# Altium PCB HORNET-1-IPG.PcbDoc (part 5 of 8) (continued)
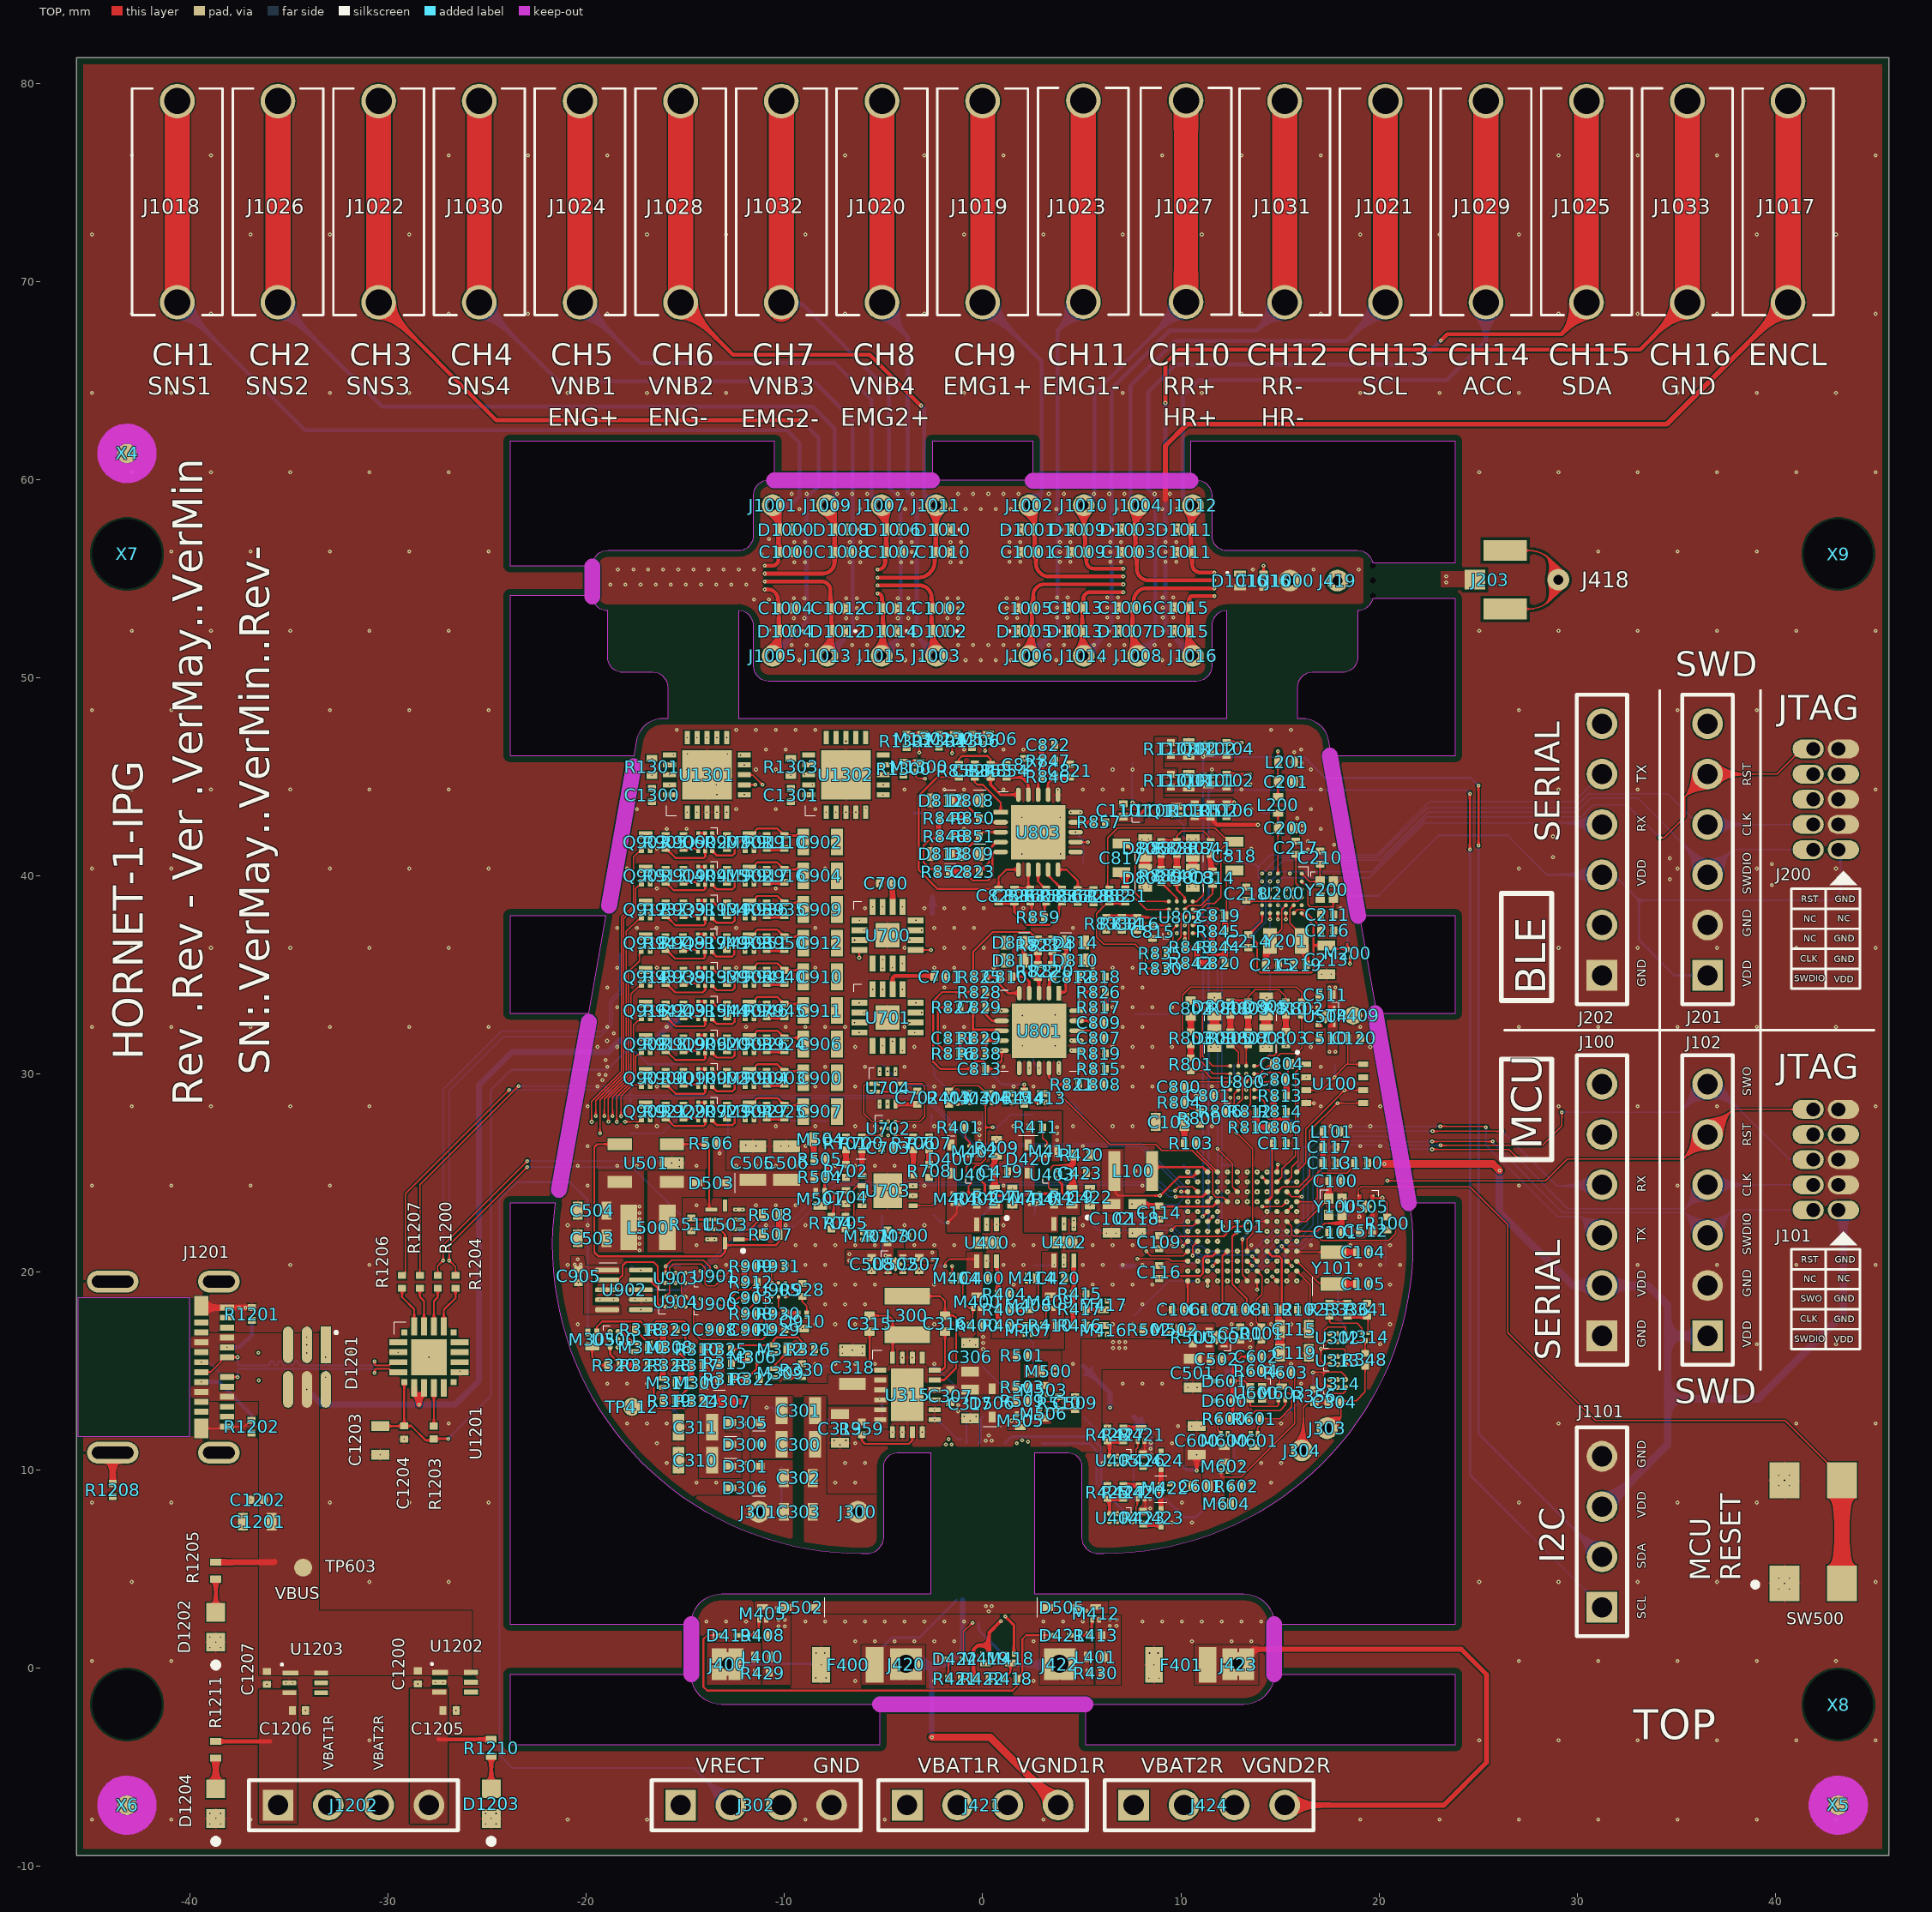
[diagram p0: TOP view]
## Nets (pads, with @x,y where several pads share a name; then routed paths per layer and width w, separated by ;. In a path a pad name is that pad's centre, name@x,y a point inside that pad or via, vN(x,y) a via of type N, cw(c..) or ccw(c..) an arc to the next point about the centre after c; other vN are vias at no path point) (continued)
  other v2: -8.728,50.668 -7.204,50.668 -5.68,50.668 -4.156,50.668 -1.108,50.668 -0.346,50.668 0.416,50.668 1.178,50.668 3.464,50.668 4.226,50.668 5.75,50.668 6.512,50.668 7.274,50.668 8.798,50.668 9.56,50.668 -9.109,51.43 -6.823,51.43 -6.061,51.43 -3.775,51.43 -1.489,51.43 -0.727,51.43 0.035,51.43 0.797,51.43 1.559,51.43 3.845,51.43 6.131,51.43 6.893,51.43 9.179,51.43 -11.014,52.192 -10.252,52.192 -8.728,52.192 -7.966,52.192 -7.204,52.192 -5.68,52.192 -4.918,52.192 -2.632,52.192 -1.87,52.192 -1.108,52.192 -0.346,52.192 0.416,52.192 1.178,52.192 1.94,52.192 2.702,52.192 4.226,52.192 4.988,52.192 5.75,52.192 7.274,52.192 8.036,52.192 10.322,52.192 11.084,52.192 -10.633,52.954 -9.871,52.954 -8.347,52.954 -7.585,52.954 -6.061,52.954 -5.299,52.954 -4.537,52.954 -3.775,52.954 -3.013,52.954 -2.251,52.954 -1.489,52.954 -0.727,52.954 0.035,52.954 0.797,52.954 1.559,52.954 2.321,52.954 3.083,52.954 4.607,52.954 5.369,52.954 6.131,52.954 6.893,52.954 7.655,52.954 8.417,52.954 9.941,52.954 10.703,52.954 -18.634,53.716 -17.872,53.716 -17.11,53.716 -16.348,53.716 -15.586,53.716 -14.824,53.716 -11.776,53.716 -11.014,53.716 -10.252,53.716 -9.49,53.716 -7.966,53.716 -7.204,53.716 -5.68,53.716 -4.918,53.716 -2.632,53.716 -1.87,53.716 -1.108,53.716 -0.346,53.716 0.416,53.716 1.178,53.716 1.94,53.716 2.702,53.716 3.464,53.716 4.226,53.716 4.988,53.716 5.75,53.716 7.274,53.716 8.036,53.716 9.56,53.716 10.322,53.716 11.084,53.716 11.846,53.716 15.656,53.716 16.418,53.716 17.18,53.716 17.942,53.716 18.704,53.716 -19.015,54.478 -18.253,54.478 -17.491,54.478 -16.729,54.478 -15.967,54.478 -15.205,54.478 -14.443,54.478 -4.537,54.478 -3.775,54.478 -3.013,54.478 -2.251,54.478 -1.489,54.478 -0.727,54.478 0.035,54.478 0.797,54.478 1.559,54.478 2.321,54.478 3.083,54.478 4.607,54.478 5.369,54.478 6.131,54.478 6.893,54.478 14.513,54.478 16.799,54.478 -18.634,55.24 -17.872,55.24 -17.11,55.24 -16.348,55.24 -15.586,55.24 -14.824,55.24 -14.062,55.24 -4.918,55.24 -2.632,55.24 -1.87,55.24 -1.108,55.24 -0.346,55.24 0.416,55.24 1.178,55.24 1.94,55.24 2.702,55.24 3.464,55.24 4.226,55.24 4.988,55.24 5.75,55.24 14.132,55.24 16.418,55.24 17.18,55.24 -19.015,56.002 -18.253,56.002 -17.491,56.002 -16.729,56.002 -15.967,56.002 -15.205,56.002 -14.443,56.002 -13.681,56.002 -12.919,56.002 -12.157,56.002 -11.395,56.002 -10.633,56.002 -9.871,56.002 -8.347,56.002 -7.585,56.002 -6.061,56.002 -5.299,56.002 -4.537,56.002 -3.775,56.002 -3.013,56.002 -2.251,56.002 -1.489,56.002 -0.727,56.002 0.035,56.002 0.797,56.002 1.559,56.002 2.321,56.002 3.083,56.002 4.607,56.002 5.369,56.002 6.131,56.002 6.893,56.002 7.655,56.002 8.417,56.002 9.941,56.002 10.703,56.002 11.465,56.002 12.227,56.002 12.989,56.002 13.751,56.002 14.513,56.002 15.275,56.002 16.037,56.002 16.799,56.002 17.561,56.002 18.323,56.002 19.085,56.002 -11.014,56.764 -10.252,56.764 -9.49,56.764 -7.966,56.764 -7.204,56.764 -5.68,56.764 -4.918,56.764 -2.632,56.764 -1.87,56.764 -1.108,56.764 -0.346,56.764 0.416,56.764 1.178,56.764 1.94,56.764 2.702,56.764 3.464,56.764 4.226,56.764 4.988,56.764 5.75,56.764 7.274,56.764 8.036,56.764 9.56,56.764 10.322,56.764 11.084,56.764 -10.633,57.526 -9.871,57.526 -8.347,57.526 -7.585,57.526 -6.061,57.526 -5.299,57.526 -4.537,57.526 -3.775,57.526 -3.013,57.526 -2.251,57.526 -1.489,57.526 -0.727,57.526 0.035,57.526 0.797,57.526 1.559,57.526 2.321,57.526 3.083,57.526 4.607,57.526 5.369,57.526 6.131,57.526 6.893,57.526 7.655,57.526 8.417,57.526 9.941,57.526 10.703,57.526 -9.49,58.288 -7.204,58.288 -5.68,58.288 -1.108,58.288 -0.346,58.288 0.416,58.288 1.178,58.288 3.464,58.288 4.226,58.288 5.75,58.288 7.274,58.288 9.56,58.288 -6.061,59.05 -1.489,59.05 -0.727,59.05 0.035,59.05 0.797,59.05 1.559,59.05 6.131,59.05 6.893,59.05
  other v4: -44.941,-7.638 -40.941,-7.638 -36.941,-7.638 -20.941,-7.638 -16.941,-7.638 -8.941,-7.638 -4.941,-7.638 3.059,-7.638 19.059,-7.638 23.059,-7.638 27.059,-7.638 31.059,-7.638 35.059,-7.638 39.059,-7.638 43.059,-7.638 -30.941,-3.638 25.059,-3.638 29.059,-3.638 33.059,-3.638 37.059,-3.638 41.059,-3.638 45.059,-3.638 -44.941,0.362 -40.941,0.362 -36.941,0.362 27.059,0.362 31.059,0.362 35.059,0.362 39.059,0.362 43.059,0.362 -42.941,4.362 -30.941,4.362 -26.941,4.362 25.059,4.362 29.059,4.362 33.059,4.362 37.059,4.362 45.059,4.362 -44.941,8.362 -40.941,8.362 -32.941,8.362 -28.941,8.362 -24.941,8.362 27.059,8.362 35.059,8.362 39.059,8.362 -26.941,12.362 29.059,12.362 41.059,12.362 45.059,12.362 39.059,16.362 43.059,16.362 -34.941,20.362 -30.941,20.362 33.059,20.362 37.059,20.362 41.059,20.362 45.059,20.362 -44.941,24.362 -40.941,24.362 -36.941,24.362 -32.941,24.362 27.059,24.362 35.059,24.362 -42.941,28.362 -38.941,28.362 -34.941,28.362 -30.941,28.362 29.059,28.362 33.059,28.362 37.059,28.362 45.059,28.362 -44.941,32.362 -40.941,32.362 -36.941,32.362 -32.941,32.362 -28.941,32.362 -24.941,32.362 27.059,32.362 31.059,32.362 35.059,32.362 39.059,32.362 43.059,32.362 -42.941,36.362 -38.941,36.362 -34.941,36.362 -30.941,36.362 -26.941,36.362 29.059,36.362 33.059,36.362 37.059,36.362 41.059,36.362 45.059,36.362 -44.941,40.362 -40.941,40.362 -36.941,40.362 -32.941,40.362 -28.941,40.362 -24.941,40.362 27.059,40.362 35.059,40.362 39.059,40.362 43.059,40.362 -42.941,44.362 -38.941,44.362 -34.941,44.362 -30.941,44.362 -26.941,44.362 29.059,44.362 33.059,44.362 45.059,44.362 -44.941,48.362 -40.941,48.362 -36.941,48.362 -32.941,48.362 -28.941,48.362 -24.941,48.362 27.059,48.362 35.059,48.362 39.059,48.362 43.059,48.362 -42.941,52.362 -38.941,52.362 -34.941,52.362 -30.941,52.362 -26.941,52.362 25.059,52.362 29.059,52.362 33.059,52.362 37.059,52.362 41.059,52.362 45.059,52.362 -40.941,56.362 -36.941,56.362 -32.941,56.362 -28.941,56.362 -24.941,56.362 31.059,56.362 35.059,56.362 39.059,56.362 -42.941,60.362 -38.941,60.362 -34.941,60.362 -30.941,60.362 -26.941,60.362 25.059,60.362 29.059,60.362 33.059,60.362 37.059,60.362 41.059,60.362 45.059,60.362 -44.941,64.362 -40.941,64.362 -36.941,64.362 -32.941,64.362 -28.941,64.362 -24.941,64.362 -20.941,64.362 -16.941,64.362 -12.941,64.362 -8.941,64.362 -0.941,64.362 7.059,64.362 11.059,64.362 15.059,64.362 19.059,64.362 23.059,64.362 27.059,64.362 31.059,64.362 35.059,64.362 39.059,64.362 43.059,64.362 -42.941,68.362 -38.941,68.362 -26.941,68.362 -22.941,68.362 -18.941,68.362 -6.941,68.362 -2.941,68.362 13.059,68.362 17.059,68.362 29.059,68.362 33.059,68.362 37.059,68.362 45.059,68.362 -44.941,72.362 -36.941,72.362 -32.941,72.362 -28.941,72.362 -16.941,72.362 -12.941,72.362 -8.941,72.362 -0.941,72.362 3.059,72.362 7.059,72.362 11.059,72.362 19.059,72.362 23.059,72.362 27.059,72.362 39.059,72.362 43.059,72.362 -42.941,76.362 -38.941,76.362 -26.941,76.362 -22.941,76.362 -18.941,76.362 -6.941,76.362 -2.941,76.362 1.059,76.362 9.059,76.362 13.059,76.362 17.059,76.362 29.059,76.362 33.059,76.362 37.059,76.362 45.059,76.362
  other v6: 39.827,39.532 34.671,39.823 39.827,40.589 34.671,40.88 28.778,40.929 28.778,41.986
  other v7: 39.827,39.532 34.671,39.823 39.827,40.589 34.671,40.88 28.778,40.929 28.778,41.986
  other v10: -38.989,-7.859 -38.456,-7.859 -25.089,-7.859 -24.556,-7.859 -38.7,-7.579 -24.8,-7.579 -38.989,-7.325 -38.456,-7.325 -25.089,-7.325 -24.556,-7.325 -34.17,-2.129 -26.57,-2.129 -36.119,-0.812 -28.499,-0.787 -35.174,-0.737 -34.818,-0.737 -27.61,-0.705 -27.229,-0.705 -38.989,1.041 -38.456,1.041 -38.7,1.321 -38.989,1.575 -38.456,1.575 40.171,4.01 40.704,4.01 40.46,4.29 40.171,4.544 40.704,4.544 -37.325,7.163 -37.325,7.595 -36.925,8.5 -43.9,8.675 40.171,9.21 40.704,9.21 40.46,9.49 40.171,9.744 40.704,9.744 -30.4,10.775 -29.2,11.57 -26.39,14.99 -34.1,15.917 -34.1,16.325 -34.1,16.7 -37.517,18.2 -36.881,18.2
  other v13: -38.989,-7.859 -38.456,-7.859 -25.089,-7.859 -24.556,-7.859 -38.7,-7.579 -24.8,-7.579 -38.989,-7.325 -38.456,-7.325 -25.089,-7.325 -24.556,-7.325 -34.17,-2.129 -26.57,-2.129 -36.119,-0.812 -28.499,-0.787 -35.174,-0.737 -34.818,-0.737 -27.61,-0.705 -27.229,-0.705 -38.989,1.041 -38.456,1.041 -38.7,1.321 -38.989,1.575 -38.456,1.575 40.171,4.01 40.704,4.01 40.46,4.29 40.171,4.544 40.704,4.544 -37.325,7.163 -37.325,7.595 -36.925,8.5 -43.9,8.675 40.171,9.21 40.704,9.21 40.46,9.49 40.171,9.744 40.704,9.744 -30.4,10.775 -29.2,11.57 -26.39,14.99 -34.1,15.917 -34.1,16.325 -34.1,16.7 -37.517,18.2 -37.199,18.2
  other v14: -38.989,-7.859 -38.456,-7.859 -25.089,-7.859 -24.556,-7.859 -38.7,-7.579 -24.8,-7.579 -38.989,-7.325 -38.456,-7.325 -25.089,-7.325 -24.556,-7.325 -34.17,-2.129 -26.57,-2.129 -36.119,-0.812 -28.499,-0.787 -35.174,-0.737 -34.818,-0.737 -27.61,-0.705 -27.229,-0.705 -38.989,1.041 -38.456,1.041 -38.7,1.321 -38.989,1.575 -38.456,1.575 40.171,4.01 40.704,4.01 40.46,4.29 40.171,4.544 40.704,4.544 -37.325,7.163 -37.325,7.595 -36.925,8.5 -43.9,8.675 40.171,9.21 40.704,9.21 40.46,9.49 40.171,9.744 40.704,9.744 -34.1,15.917 -34.1,16.325 -34.1,16.7 -37.199,18.2 -36.881,18.2
  other v16: -6.441,-0.638 -2.441,-0.638 2.559,-0.638 -6.441,1.362 -5.441,1.362 -4.441,1.362 -3.441,1.362 -2.441,1.362 -1.441,1.362 2.559,1.362 10.559,1.362 12.559,1.362 13.559,1.362 -13.941,2.362 -12.941,2.362 -11.941,2.362 -8.941,2.362 -7.941,2.362 -6.941,2.362 -5.941,2.362 -4.941,2.362 -3.941,2.362 -2.941,2.362 -1.941,2.362 -0.941,2.362 3.059,2.362 4.059,2.362 5.059,2.362 8.059,2.362 9.059,2.362 10.059,2.362 11.059,2.362 12.059,2.362 13.059,2.362 14.059,2.362
  other v19: 9.854,12.225 -36.525,14.529 -31.852,14.58 -27.94,15.7 -36.551,15.926 -31.877,15.926 -29.49,15.95 -19.191,29.691 -19.026,29.952 -19.351,29.962 -19.023,30.7 -18.952,31.665 -18.61,32.04 13.513,44.612
  other v22: -9.252,50.879 -3.149,50.881 6.006,50.882 9.061,50.878 -6.203,50.884 -0.861,50.884 3.716,50.887 -13.513,55.575 9.824,58.509
  other v23: 16.418,41.325 16.418,41.742 16.14,42.24 16.14,42.54 15.871,42.912 16.14,44.602 16.14,44.907
  other v27: 16.084,45.698 15.728,46.237
  other v37: 17.73,41.559
HV_EN: R507.1 R508.1 TP513.1 U101.L11 U501.4 U503.8 U503.10 | length 43
  TOP w0.1: U501.4@-18.31,26.45 -19.45,26.45 -19.6,26.3 -19.6,21 -19.4,20.8 -13.2,20.8 -13,21 U503.10@-13,21.35 ; U503.8@-13.7,22.15 -13.25,22.15 -13,21.9 U503.10@-13,21.45 U503.10@-13,21.35 ; R507.1@-10.275,21.9 -10.275,21.525 -10.45,21.35 U503.10@-13,21.35
  TOP w0.254: R507.1@-10.275,21.9 v9(-10.275,22.9)
  DVERT w0.1: v9(-10.275,22.9) -10.275,22.912 -10.179,23.009 -10.179,24.298 v12@-10.18,24.299
  DHOR w0.1: v12(-10.18,24.34) -10.17,24.33 9.6,24.33 10.635,24.33 10.85,24.545 v7(10.85,24.55)
  BOT w0.1: TP513.1@10.16,25.4 10.16,25.267 10.85,24.577 v7(10.85,24.55)
  other v6: 10.85,24.55
HVIN: C503.1 C504.1 L500.1 M500.3 M505.3 TP503.1 U501.5 | length 1
  POWER w0.1: v5@-17.312,22.043 v7(-17.312,22.047)
  BOT w0.1: TP503.1@-17.78,22.86 -17.312,22.392 v7(-17.312,22.047)
  other v5: 1.45,12.494 1.754,12.494 2.055,12.494 2.29,14.836 2.637,14.836 2.984,14.836 2.29,15.148 2.637,15.148 2.984,15.148 -17.312,21.101 -17.312,21.415 -17.312,21.729 -17.312,22.047 -17.312,22.357 -17.312,22.672 -17.312,22.986 -17.312,23.3
  other v11: -17.312,22.047
  other v18: -17.312,22.047
HVOUT: C505.1 C506.1 D503.1 M501.2 R504.1 R506.2 TP505.1 | length 2.8
  TOP w0.06: R506.2@-13.375,26.5 -13.277,26.402 v6(-13.277,25.984)
  BOT w0.06: v6(-13.277,25.984) -12.85,26.411 -12.85,27.79 TP505.1@-12.7,27.94
  other v7: -13.277,25.984
HVSW_EN: M503.1 R510.1 U101.L9 | length 23.8
  TOP w0.06: v9(2.885,13.824) 2.885,13.606 3.025,13.466 3.791,13.466 3.861,13.536 R510.1@3.861,13.711
  DVERT w0.06: v9(2.885,13.824) 3.14,14.079 3.14,24.676 3.135,24.681 3.135,24.839 3.14,24.844 v12(3.14,25.95) ; v12(11.838,25.924) 11.852,25.91 11.852,25.8 11.852,24.552 v9(11.85,24.55)
  DHOR w0.06: v12(3.14,25.95) 3.153,25.937 11.825,25.937 v12(11.838,25.924)
I2C2.SCL: R507.2 U101.K10 U503.1 U902.6 | length 33.2
  TOP w0.1: U503.1@-12.3,21.65 -11.275,21.65 -11.125,21.8 R507.2@-11.1,21.8 ; v21@9.735,23.818 9.752,23.8 11.1,23.8 U101.K10@11.35,24.05
  DHOR w0.06: v21(9.728,23.793) 9.735,23.8 v21@9.735,23.818
  BOT w0.076: v7(-17.25,18.1) -16.001,18.1 -12.201,21.9 -11.801,22.299 -11.125,22.299 ; v6(-11.125,21.9) -11.125,22.299 ; v21(9.728,23.793) 9.722,23.8 9.6,23.8 9.398,23.8 8.814,24.384 -7.416,24.384 -9.501,22.299 -11.125,22.299
  other v6: -17.25,18.1
  other v7: -11.125,21.9
I2C2.SDA: R508.2 U101.K11 U503.2 U902.8 | length 32.5
  TOP w0.06: v6(9.702,24.102) 9.901,24.299 10.601,24.299 U101.K11@10.85,24.05
  TOP w0.1: U503.2@-12.3,22.15 -11.75,22.15 -11.25,22.65 -11.25,22.675 -11.125,22.8 R508.2@-11.1,22.8
  BOT w0.076: v6(-17.25,19.1) -15.193,19.1 -11.694,22.599 -11.125,22.599 ; v6(-11.125,22.9) -11.125,22.599 ; v6(9.702,24.102) 9.6,24.102 9.401,24.102 8.966,24.536 -7.688,24.536 -9.625,22.599 -11.125,22.599
  other v7: -17.25,19.1 -11.125,22.9 9.702,24.102
IMP1: R903.2 R904.1 U700.11 U701.11 | length 15.9
  TOP w0.1: v8(-3.073,33.092) -3.078,33.088 U701.11@-3.151,33.088 ; U701.11@-3.151,33.088 -3.239,33.092 -3.155,33.092 U701.11@-3.151,33.088
  TOP w0.127: U700.11@-3.375,37.25 U700.11@-3.151,37.25
  TOP w0.254: R904.1@-10.9,29.475 v8(-10,29.475)
  AHOR w0.1: v15@-9.994,30.576 v15@-3.151,30.576
  AVERT w0.1: v8(-10,29.475) v15(-10,30.576) ; v15@-3.073,30.582 v8@-3.073,33.011
  AVERT w0.127: v8@-3.078,33.088 v8(-3.073,33.092) v8@-3.073,37.274
  other v8: -3.073,37.25
  other v15: -3.073,30.576
IMP2: R910.2 R911.1 U700.12 U701.12 | length 15.3
  TOP w0.254: R911.1@-10.9,41.375 v8(-10,41.375)
  AHOR w0.1: v15(-10,40.843) v15(-3.375,40.843)
  AVERT w0.1: v15(-10,40.843) v8(-10,41.375) ; v15@-3.398,40.863 -3.375,40.84 v8(-3.375,37.75) v8(-3.375,33.588)
IMP3: R916.2 R917.1 U700.13 U701.13 | length 12.4
  TOP w0.254: R917.1@-10.9,39.675 v8(-10,39.675)
  AHOR w0.1: v10(-10,39.254) v15(-4.054,39.254) v15@-4.05,39.257
  AVERT w0.1: v10(-10,39.254) v8(-10,39.675) ; v8(-4.05,34.263) -4.26,34.473 -4.26,36.724 -4.05,36.934 v8(-4.05,38.425) v15@-4.05,39.257
IMP4: R924.2 R926.1 U700.10 U701.10 | length 14.2
  TOP w0.1: v8(-3.677,32.592) -3.594,32.592 -3.59,32.588 U701.10@-3.375,32.588 ; U700.10@-3.667,36.754 -3.379,36.754 U700.10@-3.375,36.75
  TOP w0.254: R926.1@-10.9,31.175 v3(-10,31.175)
  AHOR w0.1: v3(-10,31.175) v15(-9.5,31.175) ; v15(-9.5,30.838) v15@-3.593,30.838
  AVERT w0.1: v15(-9.5,30.838) v15(-9.5,31.175) ; v15(-3.677,30.838) v8(-3.677,32.592)
  AVERT w0.127: v8(-3.677,32.592) -3.667,32.601 v8@-3.667,36.754
  other v8: -3.677,36.754
IMP5: R935.2 R936.1 U700.15 U701.15 | length 10.2
  TOP w0.1: v8(-5.052,38.425) U700.15@-5.05,38.425
  TOP w0.254: R936.1@-10.9,37.975 v3(-10,37.975)
  AHOR w0.1: v3(-10,37.975) v10(-5.052,37.975)
  AVERT w0.1: v8(-5.052,38.425) v10(-5.052,37.975) -4.799,37.722 -4.799,34.514 v8(-5.05,34.263)
IMP6: R940.2 R941.1 U700.3 U701.3 | length 9.1
  TOP w0.1: v8(-6.464,32.588) U701.3@-6.225,32.588 ; U700.3@-6.464,36.75 U700.3@-6.225,36.75
  TOP w0.254: R941.1@-10.9,34.575 v3(-10,34.575)
  AHOR w0.1: v3(-10,34.575) v10(-6.464,34.576)
  AVERT w0.127: v8(-6.464,32.588) v10(-6.464,34.576) v8(-6.464,36.749)
IMP7: R945.2 R946.1 U700.16 U701.16 | length 10.9
  TOP w0.254: R946.1@-10.9,32.875 v8(-10,32.875)
  AHOR w0.1: v15(-9.994,34.261) v3(-5.55,34.263)
  AVERT w0.1: v8(-10,32.875) -9.997,32.878 -9.997,34.258 v15(-9.994,34.261) ; v3(-5.55,34.263) v14(-5.55,38.425)
IMP8: R950.2 R951.1 U700.2 U701.2 | length 9.5
  TOP w0.127: U701.2@-6.225,33.088 v8(-6.004,33.088) ; U700.2@-6.225,37.25 -6.007,37.25 v8(-6.004,37.253)
  TOP w0.254: R951.1@-10.903,36.275 v3(-10.003,36.275)
  AHOR w0.1: v3(-10.003,36.275) v10(-6.007,36.275)
  AVERT w0.127: v8(-6.004,33.088) v8(-6.004,33.088) -6.005,36.273 v10(-6.007,36.275) -6.005,36.277 -6.005,37.252 v8(-6.004,37.253)
IMP17: R925.2 R927.1 U704.3 U704.7 | length 8.1
  TOP w0.1: v3(-5.453,29.1) U704.7@-4.148,29.1
  TOP w0.254: R927.1@-10.9,27.775 v3(-10,27.775)
  AHOR w0.1: v3(-10,27.775) v15(-9.5,27.775) ; v15(-9.498,29.098) v3(-5.453,29.1)
  AVERT w0.1: v15@-9.498,27.775 v15(-9.498,29.098)
IMP_EN: M701.1 TP703.1 U101.E1 U702.B2 | length 33.9
  DVERT w0.06: v11(-6.045,19.304) v9(-6.045,21.975) v11(-6.045,24.025) ; v11(-4.799,24.025) -4.799,27.151 -4.764,27.186 v7(-4.764,27.245) ; v11(15.85,20.015) v9@15.85,21.549
  DHOR w0.06: v11(-6.045,19.304) 11.176,19.304 11.887,20.015 v11(15.85,20.015) ; v11(-6.045,24.025) v11(-4.799,24.025)
  BOT w0.06: TP703.1@-5.08,27.94 -5.08,27.381 -4.944,27.245 v7(-4.764,27.245)
  other v9: 15.851,21.55 -4.764,27.245
  other v11: -4.764,27.245
IMP_ENn: M700.1 M701.3 R703.2 U700.4 U701.4 | length 16.5
  TOP w0.06: v9(-6.229,35.865) -6.229,36.246 U700.4@-6.225,36.25 ; M701.3@-5.6,21.8 v9(-5.6,21.961) ; M701.3@-5.495,22 -4.925,22 R703.2@-4.8,22.125 ; R703.2@-4.8,22 M700.1@-4.1,22
  DVERT w0.06: v9(-6.229,35.865) -6.68,35.413 -6.68,32.539 v9(-6.229,32.088) -6.229,30.359 -5.6,29.73 v9(-5.6,21.961)
IMP_INA: R702.2 TP700.1 U101.J5 | length 23.7
  TOP w0.06: R702.2@-6.9,24.775 v7(-6.898,24.777) ; v9(13.85,23.543) U101.J5@13.85,23.55
  DVERT w0.06: v9(13.85,23.543) 14.35,24.043 v11(14.35,24.8)
  DHOR w0.06: v7(-6.898,24.777) -6.875,24.8 v11(14.35,24.8)
  BOT w0.06: TP700.1@-7.62,25.4 -7.559,25.4 -6.936,24.777 v7(-6.898,24.777)
  other v6: -6.898,24.777
IMP_INB: R708.2 TP702.1 U101.L6 | length 25.4
  TOP w0.06: R708.2@-2.7,24.775 -2.603,24.775 v9(-2.602,24.777)
  DVERT w0.06: v9@-2.603,24.775 v9(-2.602,24.777) v7(-2.602,28) ; v9(13.35,24.55) v12(13.35,28)
  DHOR w0.06: v7(-2.602,28) v12(13.35,28)
  BOT w0.06: v7(-2.602,28) -2.575,27.973 -2.575,25.435 TP702.1@-2.54,25.4
  other v11: -2.602,28
IMPA: U700.1 U704.1 | length 8.6
  DVERT w0.06: v11(-5.207,37.75) -5.203,37.746 -5.203,30.131 v9(-5.2,30.127)
  DHOR w0.06: v6(-6.225,37.75) v11(-5.207,37.75)
IMPA_SEL.0: U101.D3 U700.9 | length 33.3
  TOP w0.06: U700.9@-3.375,36.25 v6(-2.6,36.25)
  DVERT w0.06: v11(14.615,36.25) 14.615,21.285 v9(14.85,21.05)
  DHOR w0.06: v6(-2.6,36.25) 5.08,36.25 v11(14.615,36.25)
IMPA_SEL.1: U101.E3 U700.8 | length 35.9
  TOP w0.06: U101.E3@14.85,21.55 v6(14.853,21.55)
  DVERT w0.06: v12(16.12,35.575) 16.12,28.315 16.437,27.998 v11(16.437,21.55)
  DHOR w0.06: v6(-4.05,35.575) v12(16.12,35.575) ; v6(14.853,21.55) v11(16.437,21.55)
IMPA_SEL.2: U101.F2 U700.7 | length 33.6
  DVERT w0.06: v9(15.35,22.05) 15.35,28.383 15.6,28.633 v12(15.6,35.351)
  DHOR w0.06: v6(-4.55,35.351) v12(15.6,35.351)
IMPA_SEL.3: U101.D2 U704.4 | length 27.8
  TOP w0.06: v9(15.1,21.3) U101.D2@15.35,21.05
  DVERT w0.06: v9(-5.2,28.472) -5.2,25.693 v11(-5.182,25.675) ; v9(15.1,21.3) v11(15.1,25.675)
  DHOR w0.06: v11(-5.182,25.675) v11(15.1,25.675)
IMPB: U701.1 U704.9 | length 5.5
  DVERT w0.1: v9(-4.4,30.127) -4.4,31.312 -4.293,31.42 v11(-4.293,33.604)
  DHOR w0.1: v6(-6.229,33.588) -6.221,33.596 -4.301,33.596 v11(-4.293,33.604)
IMPB_SEL.0: U101.K5 U701.9 | length 25.7
  DVERT w0.06: v9(13.85,24.051) 14.1,24.301 v11(14.1,32.088)
  DHOR w0.06: v6(-3.419,32.086) -3.417,32.088 v11(14.1,32.088)
IMPB_SEL.1: U101.L5 U701.8 | length 24.6
  TOP w0.06: v6(-4.05,31.182) U701.8@-4.05,31.413
  DVERT w0.06: v12(13.625,31.178) 13.625,24.775 v9(13.85,24.55)
  DHOR w0.06: v6(-4.05,31.182) -4.047,31.178 v12(13.625,31.178)
IMPB_SEL.2: U101.M5 U701.7 | length 25.2
  TOP w0.06: U701.7@-4.55,31.413 v6(-4.55,31.645)
  DVERT w0.06: v9(13.85,25.05) 13.85,25.8 13.85,28.5 13.85,30.7 v12(13.85,31.632)
  DHOR w0.06: v6(-4.55,31.645) 13.837,31.645 v12(13.85,31.632)
IMPB_SEL.3: U101.E2 U704.5 | length 27.4
  DVERT w0.06: v11@-4.801,27.812 v9@-4.801,28.472 ; v9(15.35,21.55) 15.625,21.825 15.625,25.8 v11(15.625,27.78)
  DHOR w0.06: v11(-4.801,27.811) v11(-4.801,27.811) 3.994,27.81 3.995,27.811 12.72,27.811 12.752,27.78 v11(15.625,27.78)
  other v9: -4.8,28.472
IPG_OFF: M418.1 M604.3 R602.2 TP435.1 | length 26.2
  TOP w0.06: M604.3@12.475,8.375 R602.2@12.475,9.2 ; v11(12.5,8.3) M604.3@12.505,8.3
  TOP w0.127: v10(1.143,2.616) 1.575,2.184 M418.1@1.575,0.711
  GND w0.075: v7(1.122,11.355) 1.143,11.334 1.143,10.858 1.143,5.778 1.143,3.759 v10(1.143,2.616)
  BOT w0.127: v7(1.122,11.355) 1.464,11.698 5.431,11.698 5.983,11.146 5.983,9.412 6.833,8.562 9.218,8.562 TP435.1@10.16,7.62 10.742,7.62 11.422,8.3 v11(12.5,8.3)
  other v7: 12.5,8.3
  other v8: 1.143,2.616 12.5,8.3
  other v10: 12.5,8.3
  other v11: 1.122,11.355
  other v13: 1.143,2.616 12.5,8.3
  other v17: 1.143,2.616 12.5,8.3 1.122,11.355
  other v18: 12.5,8.3 1.122,11.355
IPG_SHDN: M502.1 R502.1 TP502.1 U101.B12 | length 5.5
  TOP w0.06: R502.1@8.725,17.1 8.863,17.238 9.423,17.238 v6(9.46,17.275)
  DVERT w0.06: v9(10.35,20.05) 10.35,17.573 v11(10.623,17.3)
  DHOR w0.06: v6(9.46,17.275) 10.598,17.275 v11(10.623,17.3)
  BOT w0.06: TP502.1@10.16,17.78 10.16,17.772 10.623,17.308 v11(10.623,17.3)
  other v7: 10.623,17.3
IREF: Q901.2 Q903.2 Q905.2 Q908.2 Q909.2 Q910.3 Q912.2 Q914.2 Q916.2 Q918.2 | length 31.8
  TOP w0.06: v8(-16.776,36.25) v8(-16.776,36.25) ; v8(-16.775,32.844) Q916.2@-16.775,32.85 ; Q914.2@-16.775,34.539 v8(-16.775,34.55) ; v8(-16.775,41.346) Q903.2@-16.775,41.35
  AHOR w0.06: v15(-16.775,17.29) -9.24,17.29 v3(-9.1,17.15)
  AVERT w0.06: v15(-16.775,17.29) v8@-16.775,41.35
  other v8: -16.775,27.75 -16.775,29.45 -16.775,31.15 -16.776,37.95 -16.775,39.65
MAG_DET: M601.3 TP602.1 U101.L1 | length 18.5
  DVERT w0.06: v11(15.24,11.18) 17.2,13.14 v11(17.2,24.55)
  DHOR w0.06: v6(13.61,11.175) 13.613,11.178 15.237,11.178 v11(15.24,11.18) ; v7(15.85,24.55) 16.493,24.55 ; 16.493,24.55 v11(17.2,24.55)
  BOT w0.06: TP602.1@15.24,25.4 15.24,24.765 15.455,24.55 v7(15.85,24.55)
  other v6: 15.85,24.55
MAG_OUT: M603.3 R603.1 R604.1 | length 1.8
  TOP w0.06: R603.1@14.975,15.1 14.975,14.925 14.975,14.325 15.075,14.225 M603.3@15.1,14.225
  TOP w0.254: R604.1@14.125,15.011 14.167,14.969 14.912,14.969 R603.1@14.956,14.925
MAG_OUTn: M600.1 M601.1 M603.1 R601.2 TP601.1 U600.3 | length 10.1
  TOP w0.06: v7(12.375,11.825) 12.375,11.613 12.488,11.5 13.768,11.5 13.875,11.607 13.875,12.163 14.014,12.301 14.014,12.589 R601.2@14.025,12.6 15,12.6 15.6,13.2 15.6,13.763 15.463,13.9 15.032,13.9 14.925,13.793 M603.1@14.925,13.575 14.925,13.296 14.849,13.22 13.535,13.22 13.5,13.255 U600.3@13.5,13.575
  BOT w0.06: v7(12.375,11.825) 12.7,11.5 TP601.1@12.7,10.16
  other v6: 12.375,11.825
MUX_EN: M1300.1 U101.E12 | length 37.7
  TOP w0.06: M1300.1@-3.375,45.27 -3.375,45.009 -3.265,44.899 v9(-2.901,44.899) v9(-2.901,44.899) ; v6(10.1,21.3) U101.E12@10.35,21.55
  DVERT w0.06: v12(-2.9,21.3) v9(-2.901,44.899)
  DHOR w0.06: v12(-2.9,21.3) v6(10.1,21.3)
MUX_ENn: M1300.3 R1300.2 U1301.18 U1302.18 | length 13.2
  TOP w0.06: v9(-4,45.725) R1300.2@-3.99,45.715
  TOP w0.254: R1300.2@-3.99,45.715 M1300.3@-3.2,45.715
  DVERT w0.127: v12(-4,45.091) v9(-4,45.725)
  DHOR w0.06: v6@-15.805,45.091 v6(-8.982,45.091) v12(-4,45.091)
  other v6: -15.805,45.092
NetC100_2: C100.2 U101.G1 Y100.1 | length 3
  TOP w0.06: U101.G1@15.85,22.55 16.305,22.55 16.6,22.845 17.255,23.5 17.28,23.5 17.465,23.685 Y100.1@17.465,23.71 Y100.1@17.47,23.715
  TOP w0.254: Y100.1@17.47,23.715 C100.2@17.47,24.6
NetC101_1: C101.1 U101.F1 Y100.3 | length 3.2
  TOP w0.06: U101.F1@15.85,22.05 16.861,22.05 17.261,22.45 18.13,22.45
  TOP w0.254: C101.1@18.13,22 18.13,22.45 Y100.3@18.13,22.799
NetC104_2: C104.2 U101.D1 Y101.2 | length 3
  TOP w0.06: U101.D1@15.85,21.05 15.896,21.05 15.946,21 Y101.2@17.7,21
  TOP w0.254: Y101.2@17.7,21 C104.2@18.87,21
NetC105_2: C105.2 U101.C1 Y101.1 | length 3.5
  TOP w0.06: U101.C1@15.85,20.55 16.959,19.441 17.659,19.441 Y101.1@17.7,19.4
  TOP w0.254: Y101.1@17.7,19.4 C105.2@18.87,19.4
NetC110_2: C110.2 U101.J1 | length 4.4
  TOP w0.06: U101.J1@15.85,23.55 16.367,23.55 16.6,23.55 16.712,23.55 16.888,23.726 16.888,24.738 17.14,24.99 18.39,24.99 18.645,25.245 18.645,25.375 C110.2@18.77,25.5
NetC113_2: C113.2 C117.1 L101.2 U101.K1 | length 3.8
  TOP w0.06: U101.K1@15.85,24.05 15.89,24.09 15.99,24.09 16.6,24.7 17.135,25.235 17.135,25.465 C113.2@17.17,25.5 ; L101.2@17.17,27.065 L101.2@17.205,27.1 ; L101.2@17.17,27.065 L101.2@17.205,27.1 ; L101.2@17.17,27.065 L101.2@17.205,27.1
  TOP w0.254: C113.2@17.17,25.5 C117.1@17.17,26.3 L101.2@17.17,27.065
NetC200_2: C200.2 L200.1 U200.E1 | length 3
  TOP w0.076: U200.E1@14.9,40.112 C200.2@14.9,42.4 L200.1@14.9,43.158
NetC210_1: C210.1 U200.A1 Y200.1 | length 1.9
  TOP w0.06: U200.A1@16.1,40.112 16.504,39.707 Y200.1@17.028,39.707 17.028,40.51 C210.1@17.05,40.532
NetC211_1: C211.1 U200.A2 Y200.3 | length 3.5
  TOP w0.06: U200.A2@16.1,39.712 16.408,39.403 16.408,38.552 16.531,38.43 17.698,38.43 ; Y200.3@17.698,38.887 17.698,38.43 ; C211.1@17.714,38.044 17.698,38.059 17.698,38.43
NetC216_2: C216.2 U200.B6 | length 1.8
  TOP w0.06: U200.B6@15.7,38.112 15.892,38.303 16.178,38.303 16.33,38.151 17,37.481 17,37.446 C216.2@17.006,37.44
NetC217_2: C217.2 U200.A3 | length 1.9
  TOP w0.06: C217.2@15.8,41.082 15.8,40.352 15.8,39.612 U200.A3@16.1,39.312
NetC218_1: C218.1 U200.A4 | length 2.9
  TOP w0.06: C218.1@13.3,38.77 13.367,38.703 15.892,38.703 U200.A4@16.098,38.91
NetC400_1: C400.1 M400.3 TP400.1 U400.4 | length 2.7
  TOP w0.07: v7(-1.886,20.303) -1.886,20.466 -1.702,20.65 -0.4,20.65 U400.4@-0.3,20.55
  DVERT w0.07: v7(-1.886,20.303) v9@-1.861,20.328
  BOT w0.07: TP400.1@-2.54,20.32 -2.389,20.471 -2.222,20.303 v7(-1.886,20.303)
  other v9: -1.886,20.303
  other v11: -1.886,20.303
NetC419_2: C419.2 R407.2 R409.1 U401.A2 | length 3
  TOP w0.06: U401.A2@-0.577,25.11 -0.577,25.128 -0.335,25.37 0.602,25.37 ; C419.2@0.602,25.069 C419.2@0.602,25.104 ; R409.1@0.602,25.748 R409.1@0.7,25.846
  TOP w0.254: R407.2@0.602,24.227 C419.2@0.602,25.069 ; C419.2@0.602,25.104 0.602,25.37 R409.1@0.602,25.748
NetC420_1: C420.1 M409.3 TP417.1 U402.4 | length 1.3
  TOP w0.06: v6(3.599,20.357) 3.599,20.465 3.6,20.466 U402.4@3.6,20.575
  BOT w0.06: TP417.1@2.54,20.32 2.565,20.345 3.588,20.345 v6(3.599,20.357)
  other v7: 3.599,20.357